# Altium PCB radxa_cm3i_io_board_v1.4.PcbDoc (part 6 of 9) (continued)
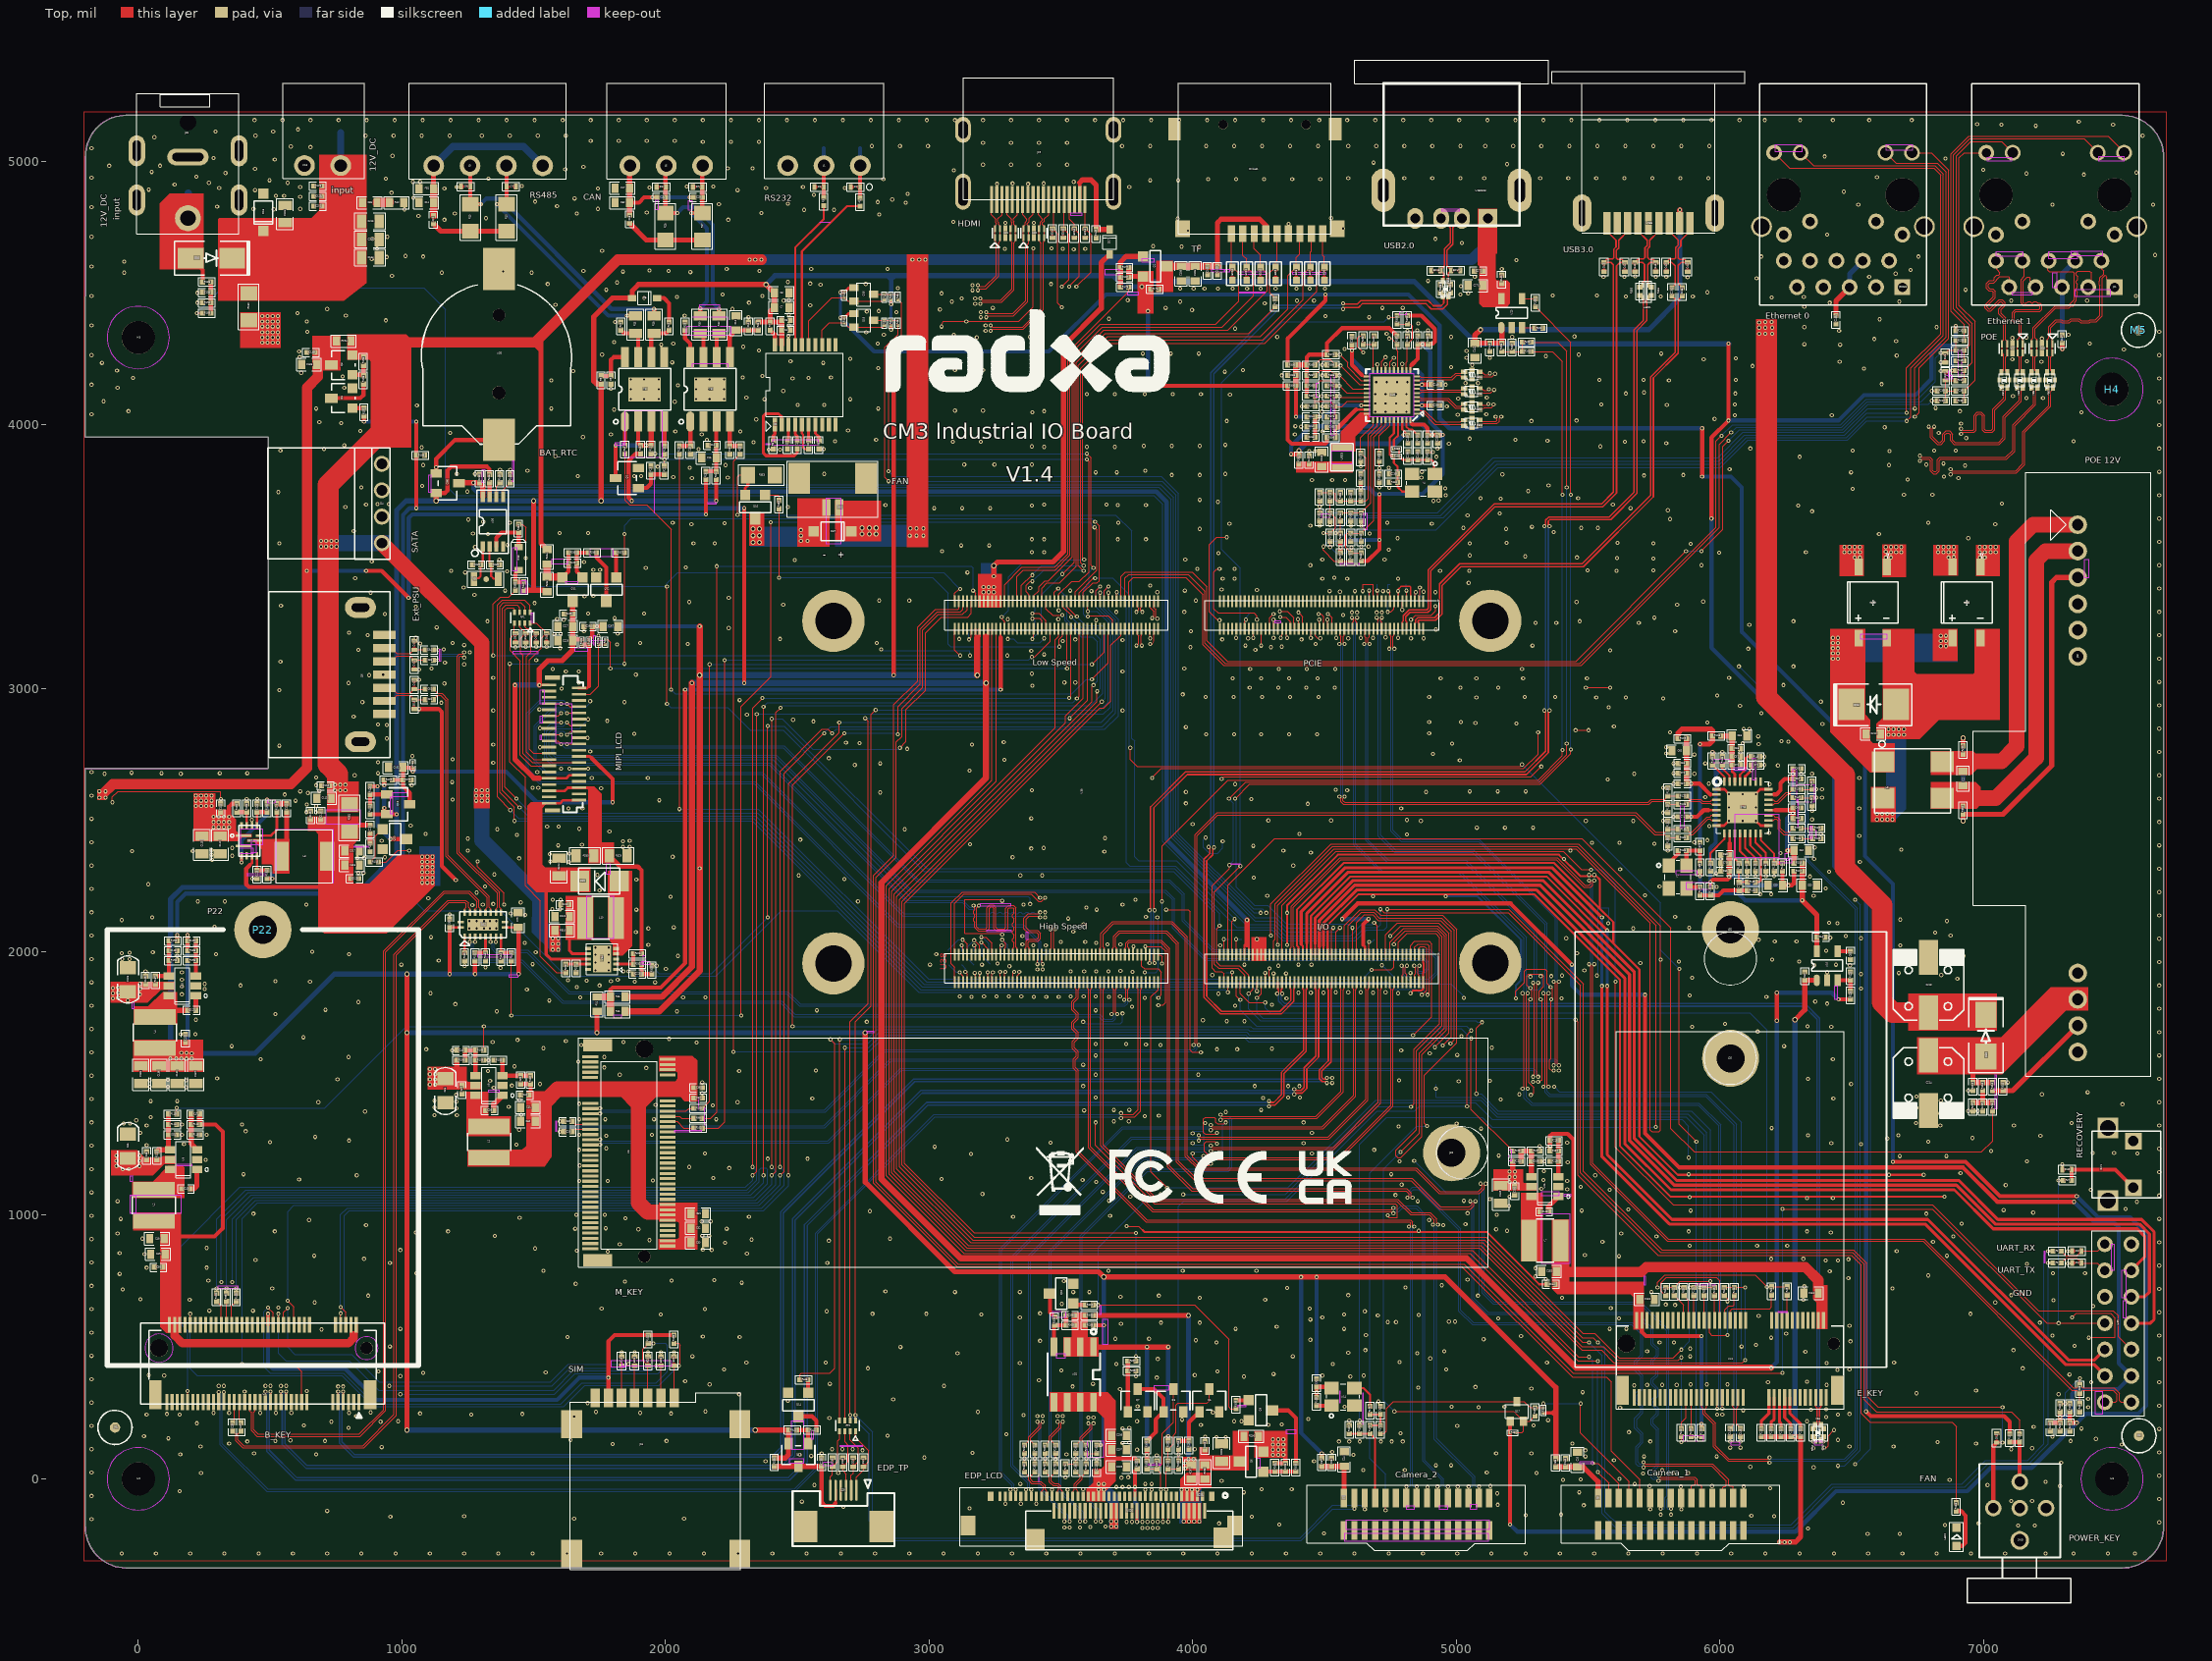
[diagram p0: Top view]
## Nets (pads, with @x,y where several pads share a name; then routed paths per layer and width w, separated by ;. In a path a pad name is that pad's centre, name@x,y a point inside that pad or via, vN(x,y) a via of type N, cw(c..) or ccw(c..) an arc to the next point about the centre after c; other vN are vias at no path point) (continued)
PCIE20-PERSTN: R103.1 U38.47 | length 5883.5
  Top w3.94: R103.1@372.05,704.72 v1(372.05,722.44) ; v1(2403.54,1151.57) 2419.29,1167.32 2419.29,2907.48 v1(2437.01,2925.2) ; U38.47@3506.89,3329.92 3506.89,3309.06 3539.37,3276.57 v1(3539.37,3269.69)
  Bottom w3.94: v1(372.05,722.44) 372.05,984.25 444.88,1057.09 2342.52,1057.09 2403.54,1118.11 v1(2403.54,1151.57) ; v1(2437.01,2925.2) 2444.88,2933.07 3612.2,2933.07 3659.45,2980.31 3659.45,3214.57 3645.67,3228.35 3580.71,3228.35 v1(3539.37,3269.69)
PCIE20-WAKEN: R101.1 U38.44 | length 5671.5
  Top w3.94: R101.1@297.24,704.72 v1(297.24,722.44) ; v1(2330.71,1183.07) 2330.71,2925.2 v1(2368.11,2962.6) ; v1(3531.5,2962.6) 3538.39,2969.49 U38.44@3538.39,3225.2
  Bottom w3.94: v1(297.24,722.44) 297.24,986.22 407.48,1096.46 2309.06,1096.46 2346.46,1133.86 2346.46,1167.32 v1(2330.71,1183.07) ; v1(2368.11,2962.6) v1(3531.5,2962.6)
PCIE20_CLKREQN_M2: R55.1 R219.1 U38.102 | length 3686.8
  Top w3.94: U38.102@3869.09,1884.65 3869.09,1856.3 3842.52,1829.72 3842.52,1165.35 v1(3903.54,1104.33) ; v1(5925.2,726.38) R55.1@5940.94,726.38 R219.1@5980.32,726.38
  Bottom w3.94: v1(3903.54,1104.33) 4362.2,1104.33 4694.88,1437.01 5092.52,1437.01 5155.51,1374.02 5872.05,1374.02 5940.94,1305.12 5940.94,742.13 v1(5925.2,726.38)
PCIE20_REFCLKN: U7.53 U38.112 | length 5391.7
  Top w3.94: U7.53@324.8,291.34 v1(324.8,328.74) ; v1(3728.35,1387.8) 3734.25,1381.89 3775.59,1381.89 3794.29,1400.59 3794.29,1856.3 3790.35,1860.24 U38.112@3790.35,1884.65
  Bottom w3.94: v1(324.8,328.74) 318.9,322.83 318.9,133.18 491.45,-39.37 2488.86,-39.37 2568.9,40.66 2568.9,932.4 3018.39,1381.89 3140.1,1381.89 3722.44,1381.89 v1(3728.35,1387.8)
PCIE20_REFCLKP: U7.55 U38.110 | length 5418.7
  Top w3.94: U7.55@305.12,291.34 v1(305.12,328.74) ; v1(3728.35,1368.11) 3734.25,1374.02 3780.51,1374.02 3802.17,1395.67 3802.17,1856.3 3806.1,1860.24 U38.110@3806.1,1884.65
  Bottom w3.94: v1(305.12,328.74) 311.02,322.83 311.02,129.92 488.19,-47.24 2492.13,-47.24 2576.77,37.4 2576.77,929.13 3021.65,1374.02 3722.44,1374.02 v1(3728.35,1368.11)
PCIE20_RXN: U12.7 U38.118 | length 2617.4
  Top w3.94: v1(1356.3,2037.4) 1356.3,2057.09 U12.7@1356.69,2057.48 ; v1(3740.16,1816.93) 3740.16,1817.91 3747.05,1824.8 3747.05,1856.3 3743.11,1860.24 U38.118@3743.11,1884.65
  Bottom w3.94: v1(1356.3,2037.4) 1350.39,2031.5 1350.39,2013.78 1358.27,2005.91 1478.35,2005.91 1635.83,1848.43 2464.57,1848.43 2511.81,1801.18 3740.83,1801.18 3746.06,1806.41 3746.06,1811.02 v1(3740.16,1816.93)
PCIE20_RXN_1: U7.41 U12.15 | length 2906.1
  Top w3.94: U7.41@442.91,291.34 442.91,257.87 437.01,251.97 437.01,186.67 454.39,169.29 838.58,169.29 931.1,261.81 931.1,2001.97 1159.45,2230.31 1256.3,2230.31 1291.73,2194.88 1291.73,2169.29 1297.64,2163.39 U12.15@1297.64,2148.03
PCIE20_RXP: U12.6 U38.116 | length 2643
  Top w3.94: v1(1336.61,2037.4) 1336.61,2057.09 U12.6@1337.01,2057.48 ; U38.116@3758.86,1884.65 3758.86,1860.24 3754.92,1856.3 3754.92,1821.85 v1(3759.84,1816.93)
  Bottom w3.94: v1(1336.61,2037.4) 1342.52,2031.5 1342.52,2009.84 1354.33,1998.03 1475.09,1998.03 1632.57,1840.55 1639.76,1840.55 2460.63,1840.55 2507.87,1793.31 3744.09,1793.31 3753.94,1803.15 3753.94,1811.02 v1(3759.84,1816.93)
PCIE20_RXP_1: U7.43 U12.16 | length 2906.1
  Top w3.94: U7.43@423.23,291.34 423.23,257.87 429.13,251.97 429.13,183.41 451.13,161.42 841.84,161.42 938.98,258.55 938.98,1998.71 1162.71,2222.44 1253.04,2222.44 1283.86,2191.62 1283.86,2169.29 1277.95,2163.39 U12.16@1277.95,2148.03
PCIE20_TXN: U12.3 U38.124 | length 2752
  Top w3.94: v1(1277.56,2037.4) 1277.56,2057.09 U12.3@1277.95,2057.48 ; v1(3692.91,1763.78) 3699.8,1770.67 3699.8,1856.3 3695.87,1860.24 U38.124@3695.87,1884.65
  Bottom w3.94: v1(1277.56,2037.4) 1271.65,2031.5 1271.65,1980.31 1283.46,1968.5 1456.69,1968.5 1612.2,1812.99 2440.94,1812.99 2492.13,1761.81 3647.64,1761.81 3665.35,1744.09 3695.56,1744.09 3700.79,1749.32 3700.79,1755.91 v1(3692.91,1763.78)
PCIE20_TXN_1: C27.1 U12.17 | length 2845.1
  Top w3.94: C27.1@389.76,181.1 377.95,169.29 377.95,147.64 399.61,125.98 852.7,125.98 970.47,243.76 970.47,1990.16 1175.2,2194.88 1242.18,2194.88 1252.36,2184.7 1252.36,2169.29 1258.27,2163.39 U12.17@1258.27,2148.03
PCIE20_TXP: U12.2 U38.122 | length 2777.7
  Top w3.94: v1(1257.87,2037.4) 1257.87,2057.09 U12.2@1258.27,2057.48 ; U38.122@3711.61,1884.65 3711.61,1860.24 3707.68,1856.3 3707.68,1770.67 v1(3714.57,1763.78)
  Bottom w3.94: v1(1257.87,2037.4) 1263.78,2031.5 1263.78,1976.38 1279.53,1960.63 1453.43,1960.63 1608.94,1805.12 1610.24,1805.12 2437.01,1805.12 2488.19,1753.94 3643.7,1753.94 3661.42,1736.22 3698.82,1736.22 3708.66,1746.06 3708.66,1757.87 v1(3714.57,1763.78)
PCIE20_TXP_1: C29.1 U12.18 | length 2845.4
  Top w3.94: C29.1@358.27,181.1 370.08,169.29 370.08,143.7 395.67,118.11 855.96,118.11 978.35,240.5 978.35,1986.9 1178.46,2187.01 1238.92,2187.01 1244.49,2181.44 1244.49,2169.29 1238.58,2163.39 U12.18@1238.58,2148.03
PCIE30_CLKN_EKEY: R137.2 R143.1 U24.49 | length 3443.6
  Top w3.94: U24.49@5931.1,308.07 5931.1,271.65 5937.01,265.75 5937.01,246.06 5976.38,206.69 5976.38,122.05 6031.5,66.93 6183.07,66.93 v1(6188.98,61.02) ; R137.2@6309.06,2584.65 R143.1@6350.39,2584.65 v1(6366.14,2584.65)
  Bottom w3.94: v1(6188.98,61.02) 6194.88,66.93 6476.38,66.93 6521.65,112.2 6521.65,2164.68 6336.61,2349.72 6336.61,2587.29 6345.78,2596.46 6354.33,2596.46 v1(6366.14,2584.65)
PCIE30_CLKP_EKEY: R136.2 R141.1 U24.47 | length 3430.5
  Top w3.94: U24.47@5950.79,308.07 5950.79,271.65 5944.88,265.75 5944.88,250 5984.25,210.63 5984.25,125.31 6034.76,74.8 6183.07,74.8 v1(6188.98,80.71) ; R136.2@6309.06,2616.14 R141.1@6350.39,2616.14 v1(6366.14,2616.14)
  Bottom w3.94: v1(6188.98,80.71) 6194.88,74.8 6473.12,74.8 6513.78,115.47 6513.78,2161.42 6328.74,2346.46 6328.74,2590.55 6342.52,2604.33 6354.33,2604.33 v1(6366.14,2616.14)
PCIE30_CLKREQN_M1: R220.1 R223.1 U38.39 | length 5263.9
  Top w3.94: U38.39@3569.88,3329.92 3569.88,3363.19 3624.02,3417.32 v1(3629.92,3417.32) ; v1(3763.78,2773.62) 3763.78,2728.35 3789.37,2702.76 5242.13,2702.76 v1(5250,2710.63) ; v1(5846.46,1935.04) 5846.46,1344.49 v1(5911.42,1279.53) ; R220.1@5891.73,159.45 v1(5911.42,159.45) R223.1@5931.1,159.45
  Bottom w3.94: v1(3629.92,3417.32) 3696.78,3417.32 3759.84,3354.26 3759.84,2777.56 v1(3763.78,2773.62) ; v1(5250,2710.63) 5775.59,2185.04 5775.59,2005.91 v1(5846.46,1935.04) ; v1(5911.42,159.45) v1(5911.42,1279.53)
PCIE30_PERSTN_M1: R221.1 U38.45 | length 6094.9
  Top w3.94: U38.45@3522.64,3329.92 3522.64,3309.06 3523.62,3309.06 v1(3561.02,3271.65) ; v1(3655.51,2948.82) 2897.64,2190.94 2897.64,1190.94 3171.26,917.32 5114.17,917.32 5480.32,551.18 5525.59,551.18 5618.11,458.66 5822.83,458.66 v1(5854.33,490.16) ; v1(5885.83,726.38) R221.1@5901.57,726.38
  Bottom w3.94: v1(3561.02,3271.65) 3594.49,3238.19 3657.48,3238.19 3669.29,3226.38 3669.29,2962.6 v1(3655.51,2948.82) ; v1(5854.33,490.16) 5885.83,521.65 v1(5885.83,726.38)
PCIE30_REFCLKN_IN: J7.41 R128.2 R129.1 | length 1961.5
  Top w3.94: v1(4557.09,2588.58) 4562.99,2582.68 4562.99,2568.9 4572.83,2559.06 5732.28,2559.06 5744.09,2570.87 5791.34,2570.87 R129.1@5803.15,2559.06 R128.2@5842.52,2559.06 ; v1(4557.09,3167.32) 4563.39,3173.62 4563.39,3196.46 4559.84,3200 J7.41@4559.84,3225.59
  Bottom w3.94: v1(4557.09,2588.58) 4562.99,2594.49 4562.99,3161.42 v1(4557.09,3167.32)
PCIE30_REFCLKN_MKEY: R132.2 R133.1 U6.53 | length 5111.6
  Top w3.94: U6.53@1715.16,1385.04 1715.95,1385.83 v1(1751.97,1385.83) ; v1(4023.62,1645.67) 4017.72,1651.57 4017.72,2440.94 4094.49,2517.72 5679.13,2517.72 5751.97,2444.88 5791.34,2444.88 R133.1@5803.15,2433.07 R132.2@5842.52,2433.07
  Bottom w3.94: v1(1751.97,1385.83) 1757.87,1391.73 2606.3,1391.73 2834.65,1620.08 4007.87,1620.08 4017.72,1629.92 4017.72,1639.76 v1(4023.62,1645.67)
PCIE30_REFCLKP_IN: J7.39 R127.2 R130.1 | length 1955.9
  Top w3.94: J7.39@4575.59,3225.59 4575.59,3200.79 4571.26,3196.46 4571.26,3172.83 v1(4576.77,3167.32) ; v1(4576.77,2588.58) 4570.87,2582.68 4570.87,2572.83 4576.77,2566.93 5728.35,2566.93 5740.16,2578.74 5791.34,2578.74 R130.1@5803.15,2590.55 5799.21,2590.55 R127.2@5842.52,2590.55
  Bottom w3.94: v1(4576.77,2588.58) 4570.87,2594.49 4570.87,3161.42 v1(4576.77,3167.32)
PCIE30_REFCLKP_MKEY: R131.2 R134.1 U6.55 | length 5113.6
  Top w3.94: U6.55@1715.16,1404.72 1715.95,1405.51 v1(1751.97,1405.51) ; v1(4003.94,1645.67) 4009.84,1651.57 4009.84,2444.88 4092.52,2527.56 5681.1,2527.56 5755.91,2452.76 5791.34,2452.76 R134.1@5803.15,2464.57 R131.2@5842.52,2464.57
  Bottom w3.94: v1(1751.97,1405.51) 1757.87,1399.61 2603.04,1399.61 2831.38,1627.95 4004.61,1627.95 4009.84,1633.18 4009.84,1639.76 v1(4003.94,1645.67)
PCIE30_RX0N: J7.29 U6.41 | length 5871.6
  Top w3.94: U6.41@1715.16,1266.93 1715.95,1267.72 v1(1751.97,1267.72) ; v1(4651.57,3167.32) 4657.48,3173.23 4657.48,3190.94 4654.33,3194.09 J7.29@4654.33,3225.59 ; v1(5291.34,1525.59) 5297.24,1531.5 5297.24,1875.98 v1(5291.34,1881.89)
  Bottom w3.94: v1(1751.97,1267.72) 1757.87,1273.62 2620.08,1273.62 2895.67,1549.21 5290.05,1549.21 5297.24,1542.01 5297.24,1531.5 v1(5291.34,1525.59) ; v1(4651.57,3167.32) 4657.48,3161.42 4657.48,2421.26 4740.16,2338.58 5034.14,2338.58 5297.24,2075.48 5297.24,1887.8 v1(5291.34,1881.89)
PCIE30_RX0P: J7.27 U6.43 | length 5885.3
  Top w3.94: U6.43@1715.16,1286.61 1715.95,1287.4 v1(1751.97,1287.4) ; J7.27@4670.08,3225.59 4670.08,3194.88 4665.35,3190.16 4665.35,3173.23 v1(4671.26,3167.32) ; v1(5311.02,1525.59) 5305.12,1531.5 5305.12,1875.98 v1(5311.02,1881.89)
  Bottom w3.94: v1(1751.97,1287.4) 1757.87,1281.5 2616.82,1281.5 2892.41,1557.09 3775.59,1557.09 5293.31,1557.09 5305.12,1545.28 5305.12,1531.5 v1(5311.02,1525.59) ; v1(4671.26,3167.32) 4665.35,3161.42 4665.35,2424.52 4743.42,2346.46 5037.4,2346.46 5305.12,2078.74 5305.12,1887.8 v1(5311.02,1881.89)
PCIE30_RX1N: J7.35 U24.43 | length 4222
  Top w3.94: v1(4604.33,3267.72) 4610.63,3261.42 4610.63,3254.33 4607.09,3250.79 J7.35@4607.09,3225.59 ; v1(5251.97,1480.31) 5257.87,1486.22 5257.87,1836.61 v1(5251.97,1842.52) ; v1(5990.16,265.75) U24.43@5990.16,308.07
  Bottom w3.94: v1(4604.33,3267.72) 4610.24,3261.81 4610.24,2405.51 4716.54,2299.21 5010.52,2299.21 5257.87,2051.86 5257.87,1848.43 v1(5251.97,1842.52) ; v1(5251.97,1480.31) 5257.87,1474.41 5257.87,1444.88 5285.43,1417.32 5918,1417.32 5996.06,1339.26 5996.06,271.65 v1(5990.16,265.75)
PCIE30_RX1P: J7.33 U24.41 | length 4222
  Top w3.94: J7.33@4622.83,3225.59 4622.83,3250 4618.5,3254.33 4618.5,3262.2 v1(4624.02,3267.72) ; v1(5271.65,1480.31) 5265.75,1486.22 5265.75,1836.61 v1(5271.65,1842.52) ; v1(6009.84,265.75) U24.41@6009.84,308.07
  Bottom w3.94: v1(4624.02,3267.72) 4618.11,3261.81 4618.11,2408.77 4719.8,2307.09 5013.78,2307.09 5265.75,2055.12 5265.75,1848.43 v1(5271.65,1842.52) ; v1(5271.65,1480.31) 5265.75,1474.41 5265.75,1448.14 5288.69,1425.2 5921.26,1425.2 6003.94,1342.52 6003.94,271.65 v1(6009.84,265.75)
PCIE30_TX0N: C28.1 J7.17 | length 6021.7
  Top w3.94: v1(1598.43,1316.93) C28.1@1614.17,1316.93 ; v1(4746.06,3149.61) 4752.36,3155.91 4752.36,3196.46 4748.82,3200 J7.17@4748.82,3225.59 ; v1(5370.08,1568.9) 5375.98,1574.8 5375.98,1879.92 v1(5370.08,1885.83)
  Bottom w3.94: v1(1598.43,1316.93) 1614.17,1332.68 2604.33,1332.68 2856.3,1584.65 5372.72,1584.65 5375.98,1581.38 5375.98,1574.8 v1(5370.08,1568.9) ; v1(4746.06,3149.61) 4751.97,3143.7 4751.97,2456.69 4791.34,2417.32 5085.32,2417.32 5375.98,2126.66 5375.98,1891.73 v1(5370.08,1885.83)
PCIE30_TX0P: C30.1 J7.15 | length 6034.8
  Top w3.94: v1(1598.43,1356.3) C30.1@1614.17,1356.3 ; J7.15@4764.57,3225.59 4764.57,3200.79 4760.24,3196.46 4760.24,3155.12 v1(4765.75,3149.61) ; v1(5389.76,1568.9) 5383.86,1574.8 5383.86,1879.92 v1(5389.76,1885.83)
  Bottom w3.94: v1(1598.43,1356.3) 1614.17,1340.55 2601.07,1340.55 2853.04,1592.52 2874.02,1592.52 5375.98,1592.52 5383.86,1584.65 5383.86,1574.8 v1(5389.76,1568.9) ; v1(4765.75,3149.61) 4759.84,3143.7 4759.84,2459.95 4794.6,2425.2 5088.58,2425.2 5383.86,2129.92 5383.86,1891.73 v1(5389.76,1885.83)
PCIE30_TX1N: C147.1 J7.23 | length 4288.9
  Top w3.94: v1(4698.82,3267.72) 4705.12,3261.42 4705.12,3254.33 4701.57,3250.79 J7.23@4701.57,3225.59 ; v1(5330.71,1488.19) 5336.61,1494.09 5336.61,1836.61 v1(5330.71,1842.52) ; v1(6039.37,141.73) C147.1@6039.37,159.45
  Bottom w3.94: v1(4698.82,3267.72) 4704.72,3261.81 4704.72,2438.98 4765.75,2377.95 5061.7,2377.95 5336.61,2103.04 5336.61,1848.43 v1(5330.71,1842.52) ; v1(5330.71,1488.19) 5336.61,1482.28 5336.61,1466.54 5352.36,1450.79 5945.56,1450.79 6055.12,1341.23 6055.12,157.48 v1(6039.37,141.73)
PCIE30_TX1P: C146.1 J7.21 | length 4288.9
  Top w3.94: J7.21@4717.32,3225.59 4717.32,3250 4712.99,3254.33 4712.99,3262.2 v1(4718.5,3267.72) ; v1(5350.39,1488.19) 5344.49,1494.09 5344.49,1836.61 v1(5350.39,1842.52) ; v1(6078.74,141.73) C146.1@6078.74,159.45
  Bottom w3.94: v1(4718.5,3267.72) 4712.6,3261.81 4712.6,2442.24 4769.01,2385.83 5064.96,2385.83 5344.49,2106.3 5344.49,1848.43 v1(5350.39,1842.52) ; v1(5350.39,1488.19) 5344.49,1482.28 5344.49,1469.8 5355.62,1458.66 5948.82,1458.66 6062.99,1344.49 6062.99,157.48 v1(6078.74,141.73)
PCIE30_WAKEN_M1: R222.1 U38.38 | length 5984.4
  Top w3.94: U38.38@3585.63,3225.2 3585.63,2962.6 3517.72,2894.69 3517.72,2869.09 2868.11,2219.49 2868.11,1167.32 3149.61,885.83 5092.52,885.83 5476.38,501.97 5559.06,501.97 5612.2,448.82 5842.52,448.82 v1(5854.33,460.63) ; v1(5854.33,139.76) R222.1@5854.33,159.45
  Bottom w3.94: v1(5854.33,139.76) v1(5854.33,460.63)
PCIE30X1_CLKREQN_3V3_L: R99.2 U7.52 | length 88.6
  Top w3.94: U7.52@334.64,584.65 R99.2@334.65,673.23
PCIE30X1_PERSTN_3V3_L: R103.2 U7.50 | length 95.9
  Top w3.94: U7.50@354.33,584.65 354.33,655.51 R103.2@372.05,673.23
PCIE30X1_WAKEN_3V3_L: R101.2 U7.54 | length 95.9
  Top w3.94: R101.2@297.24,673.23 314.96,655.51 U7.54@314.96,584.65
PCIE30X2_CLKREQN_M1: R98.1 U38.89 | length 3239.9
  Top w3.94: R98.1@2139.76,1368.11 2171.26,1368.11 2194.88,1391.73 v1(2194.88,3462.6) ; v1(3167.32,3370.08) 3176.18,3361.22 U38.89@3176.18,3329.92
  Bottom w3.94: v1(2194.88,3462.6) 3159.45,3462.6 3167.32,3454.72 v1(3167.32,3370.08)
PCIE30X2_LANE0_CLKREQN_3V3_L: R98.2 U6.52 | length 103.4
  Top w3.94: U6.52@2008.46,1375.2 2009.25,1375.98 2053.15,1375.98 2061.02,1368.11 R98.2@2108.27,1368.11
PCIE30X2_LANE0_PERSTN_3V3_L: R102.2 U6.50 | length 110.1
  Top w3.94: U6.50@2008.46,1355.51 2044.09,1355.51 2068.9,1330.71 R102.2@2108.27,1330.71
PCIE30X2_LANE0_WAKEN_3V3_L: R100.2 U6.54 | length 104.2
  Top w3.94: U6.54@2008.46,1394.88 2078.74,1394.88 2089.37,1405.51 R100.2@2108.27,1405.51
PCIE30X2_PERSTN_M1: R102.1 U38.54 | length 3159
  Top w3.94: R102.1@2139.76,1330.71 2200.79,1330.71 2224.41,1354.33 v1(2224.41,3106.3) ; v1(3389.76,3118.11) 3400.59,3118.11 3459.65,3177.17 U38.54@3459.65,3225.2
  Bottom w3.94: v1(2224.41,3106.3) 3377.95,3106.3 v1(3389.76,3118.11)
PCIE30X2_WAKEN_M1: R100.1 U38.28 | length 3301
  Top w3.94: R100.1@2139.76,1405.51 2167.32,1433.07 v1(2167.32,3090.55) ; v1(3618.11,3090.55) 3664.37,3136.81 U38.28@3664.37,3225.2
  Bottom w3.94: v1(2167.32,3090.55) v1(3618.11,3090.55)
PCIE_EN_L: R154.1 R155.1 U12.8 | length 101
  Top w9.84: R154.1@1375.98,1996.06 1376.38,1996.46 U12.8@1376.38,2057.48
  Top w15.75: R154.1@1375.98,1996.06 R155.1@1415.35,1996.06
PCIE_PWREN_H: R108.1 R113.1 R226.1 U38.95 | length 7721.6
  Top w3.94: R113.1@145.67,1383.86 v1(145.67,1407.48) ; R108.1@1311.02,1625.98 v1(1311.02,1716.54) ; v1(2482.28,1716.54) 2482.28,2631.89 v1(2679.13,2828.74) ; v1(2881.89,2824.8) 2881.89,2931.1 2966.54,3015.75 2966.54,3224.41 3031.5,3289.37 3119.09,3289.37 3128.94,3299.21 U38.95@3128.94,3329.92 ; v1(5057.09,1671.26) 5057.09,1401.57 R226.1@5214.57,1244.09
  Bottom w3.94: v1(145.67,1407.48) 706.69,1407.48 1015.75,1716.54 v1(1311.02,1716.54) v1(2482.28,1716.54) 4220.47,1716.54 4228.35,1708.66 5019.69,1708.66 v1(5057.09,1671.26) ; v1(2679.13,2828.74) 2877.95,2828.74 v1(2881.89,2824.8)
PHY0_MDI0+: FB11.2 J90036.1 | length 2143.3
  Top w3.94: FB11.2@5088.58,3996.06 5094.72,3996.06 5102.59,4003.94 5155.51,4003.94 5163.39,4011.81 5163.39,4023.62 5169.29,4029.53 v1(5171.26,4029.53)
  Power w3.94: v1(5171.26,4029.53) 5167.32,4029.53 5163.39,4033.46 5163.39,4043.31 5169.29,4049.21 6442.91,4049.21 6643.7,4250 6643.7,4586.61 6649.61,4592.52 6685.04,4592.52 6692.91,4584.65 J90036.1@6692.91,4521.65
PHY0_MDI0-: FB11.3 J90036.2 | length 2144.4
  Top w3.94: FB11.3@5088.58,4017.72 5094.49,4011.81 5151.57,4011.81 5155.51,4015.75 5155.51,4025.59 5151.64,4029.46 5149.54,4029.46 v1(5149.61,4029.53)
  Power w3.94: v1(5149.61,4029.53) 5153.54,4033.46 5155.51,4033.46 5155.51,4047.24 5167.32,4059.06 6438.98,4059.06 6612.2,4232.28 6612.2,4305.12 6616.14,4309.06 6620.08,4309.06 6624.02,4305.12 6624.02,4265.75 6627.95,4261.81 6631.89,4261.81 6635.83,4265.75 6635.83,4614.57 J90036.2@6642.91,4621.65
PHY0_MDI1+: FB12.2 J90036.3 | length 2144.6
  Top w3.94: FB12.2@5088.58,4057.09 5098.43,4057.09 5106.3,4064.96 5133.86,4064.96 5141.73,4072.83 v1(5141.73,4076.77)
  Power w3.94: v1(5141.73,4076.77) 5141.73,4086.61 5149.61,4094.49 6385.83,4094.49 6501.97,4210.63 6501.97,4346.46 6505.91,4350.39 6513.78,4350.39 6517.72,4346.46 6517.72,4277.56 6525.59,4269.69 6539.37,4269.69 6547.24,4277.56 6547.24,4572.83 6555.12,4580.71 6587.01,4580.71 6592.91,4574.8 J90036.3@6592.91,4521.65
PHY0_MDI1-: FB12.3 J90036.6 | length 2142.8
  Top w3.94: FB12.3@5088.58,4078.74 5094.49,4078.74 5100.39,4072.83 5116.14,4072.83 v1(5122.05,4078.74)
  Power w3.94: v1(5122.05,4078.74) 5122.05,4076.77 5127.95,4082.68 5127.95,4084.65 5145.67,4102.36 6381.89,4102.36 6494.09,4214.57 6494.09,4350.39 6501.97,4358.27 6517.72,4358.27 6525.59,4350.39 6525.59,4281.5 6529.53,4277.56 6535.43,4277.56 6539.37,4281.5 6539.37,4570.87 6517.72,4592.52 6462.6,4592.52 6442.91,4612.2 J90036.6@6442.91,4621.65
PHY0_MDI2+: FB13.2 J90036.7 | length 2145.5
  Top w3.94: FB13.2@5088.58,4116.14 5088.58,4119.61 5131.42,4119.61 v1(5143.7,4131.89)
  Power w3.94: v1(5143.7,4131.89) 5143.7,4135.83 5145.67,4137.8 6336.61,4137.8 6397.64,4198.82 6397.64,4476.38 6389.76,4484.25 6374.02,4484.25 6366.14,4476.38 6366.14,4354.33 6360.24,4348.43 6354.33,4348.43 6348.43,4354.33 6348.43,4584.65 6352.36,4588.58 6383.07,4588.58 6392.91,4578.74 J90036.7@6392.91,4521.65
PHY0_MDI2-: FB13.3 J90036.8 | length 2143.1
  Top w3.94: FB13.3@5088.58,4137.8 5096.46,4137.8 5104.33,4129.92 5118.11,4129.92 5122.05,4133.86 v1(5124.02,4133.86)
  Power w3.94: v1(5124.02,4133.86) 5127.95,4133.86 5129.92,4135.83 5129.92,4139.76 5135.83,4145.67 6332.68,4145.67 6389.76,4202.76 6389.76,4472.44 6385.83,4476.38 6377.95,4476.38 6374.02,4472.44 6374.02,4350.39 6364.17,4340.55 6350.39,4340.55 6340.55,4350.39 6340.55,4529.53 6336.61,4533.46 6328.74,4533.46 6324.8,4537.4 6324.8,4543.31 6328.74,4547.24 6336.61,4547.24 6340.55,4551.18 6340.55,4555.12 6336.61,4559.06 6324.8,4559.06 6322.83,4561.02 6322.83,4568.9 6324.8,4570.87 6336.61,4570.87 6340.54,4574.79 ; 6340.52,4574.83 6340.52,4580.71 6336.64,4584.59 6324.8,4584.59 6322.83,4586.56 6322.83,4594.49 6324.8,4596.46 6340.55,4596.46 6342.91,4598.82 J90036.8@6342.91,4621.65
PHY0_MDI3+: FB14.2 J90036.9 | length 2142.6
  Top w3.94: FB14.2@5088.58,4179.13 5088.58,4181.1 5135.93,4181.1 v1(5147.64,4192.91)
  Power w3.94: v1(5147.64,4192.91) 5141.73,4198.82 5141.73,4226.38 5145.67,4230.31 5159.45,4230.31 5163.39,4226.38 5163.39,4183.07 5171.26,4175.2 5185.04,4175.2 5192.91,4183.07 5192.91,4226.38 5196.85,4230.31 5202.76,4230.31 5206.69,4226.38 5206.69,4183.07 5214.57,4175.2 5228.35,4175.2 5236.22,4183.07 5236.22,4224.41 5240.16,4228.35 5246.06,4228.35 5250,4224.41 5250,4185.04 5257.87,4177.17 5273.62,4177.17 5281.5,4185.04 5281.5,4224.41 5285.43,4228.35 5291.34,4228.35 5295.28,4224.41 5295.28,4185.04 5303.15,4177.17 5316.93,4177.17 5324.8,4185.04 5324.8,4222.44 5328.74,4226.38 5338.58,4226.38 5342.52,4222.44 5342.52,4185.04 5350.39,4177.17 5366.14,4177.17 5374.02,4185.04 5374.02,4194.88 5377.95,4198.82 6248.03,4198.82 6271.65,4222.44 6271.65,4423.23 6244.09,4450.79 6244.09,4578.74 6250,4584.65 6283.46,4584.65 6292.91,4575.2 J90036.9@6292.91,4521.65
PHY0_MDI3-: FB14.3 J90036.10 | length 2144
  Top w3.94: FB14.3@5088.58,4200.79 5096.46,4200.79 5108.27,4188.98 5122.05,4188.98 v1(5127.95,4194.88)
  Power w3.94: v1(5127.95,4194.88) 5133.86,4200.79 5133.86,4230.31 5141.73,4238.19 5163.39,4238.19 5171.26,4230.31 5171.26,4187.01 5175.2,4183.07 5181.1,4183.07 5185.04,4187.01 5185.04,4230.31 5192.91,4238.19 5206.69,4238.19 5214.57,4230.31 5214.57,4187.01 5218.5,4183.07 5224.41,4183.07 5228.35,4187.01 5228.35,4228.35 5236.22,4236.22 5250,4236.22 5257.87,4228.35 5257.87,4188.98 5261.81,4185.04 5269.69,4185.04 5273.62,4188.98 5273.62,4228.35 5281.5,4236.22 5295.28,4236.22 5303.15,4228.35 5303.15,4188.98 5307.09,4185.04 5312.99,4185.04 5316.93,4188.98 5316.93,4226.38 5324.8,4234.25 5342.52,4234.25 5350.39,4226.38 5350.39,4188.98 5354.33,4185.04 5362.2,4185.04 5366.14,4188.98 5366.14,4200.79 5372.05,4206.69 6242.13,4206.69 6263.78,4228.35 6263.78,4419.29 6259.84,4423.23 6253.94,4423.23 6250,4419.29 6250,4387.8 6246.06,4383.86 6240.16,4383.86 6236.22,4387.8 6236.22,4614.96 J90036.10@6242.91,4621.65
PHY1_1MDI0+: FB5.1 U38.12 | length 4285.2
  Top w3.94: v1(3787.4,3161.42) 3795.28,3169.29 3795.28,3198.82 3790.35,3203.74 U38.12@3790.35,3225.2 ; v1(6875.98,3811.02) 6881.89,3816.93 7125.98,3816.93 7157.48,3848.43 7157.48,3970.47 7256.3,4069.29 7256.3,4126.38 7264.17,4134.25 FB5.1@7264.17,4140.55
  Power w3.94: v1(3787.4,3161.42) 3793.31,3155.51 3793.31,3088.58 3938.98,2942.91 5730.32,2942.91 6604.33,3816.93 6870.08,3816.93 v1(6875.98,3811.02)
PHY1_1MDI0-: FB5.4 U38.10 | length 4254.3
  Top w3.94: U38.10@3806.1,3225.2 3806.1,3200.79 3804.13,3198.82 3804.13,3164.37 v1(3807.09,3161.42) ; v1(6875.98,3830.71) 6881.89,3824.8 7122.72,3824.8 7149.61,3851.69 7149.61,3973.73 7248.03,4072.16 7248.03,4129.92 7242.52,4135.43 FB5.4@7242.52,4140.55
  Power w3.94: v1(3807.09,3161.42) 3801.18,3155.51 3801.18,3092.52 3942.91,2950.79 5727.05,2950.79 6601.07,3824.8 6870.08,3824.8 v1(6875.98,3830.71)
PHY1_1MDI1+: FB6.1 U38.4 | length 4215.8
  Top w3.94: v1(3838.58,3167.32) 3847.44,3167.32 3853.35,3177.17 U38.4@3853.35,3225.2 ; v1(6759.84,3862.2) 6765.75,3868.11 6793.98,3868.11 6799.21,3862.88 6799.21,3823.51 6809.73,3812.99 6822.16,3812.99 6832.68,3823.51 6832.68,3862.88 6837.91,3868.11 7088.58,3868.11 7120.08,3899.61 7120.08,3996.06 7198.82,4074.8 7198.82,4127.95 7205.12,4134.25 FB6.1@7205.12,4140.55
  Power w3.94: v1(3838.58,3167.32) 3844.49,3173.23 3852.36,3173.23 3856.3,3169.29 3856.3,3118.11 3994.09,2980.31 5696.85,2980.31 6584.65,3868.11 6753.94,3868.11 v1(6759.84,3862.2)
PHY1_1MDI1-: FB6.4 U38.6 | length 4175.2
  Top w3.94: U38.6@3837.6,3225.2 3838.58,3224.21 v1(3838.58,3188.98) ; v1(6759.84,3881.89) 6765.75,3875.98 6797.24,3875.98 6807.09,3866.14 6807.09,3826.77 6812.32,3821.54 6819.57,3821.54 6824.8,3826.77 6824.8,3866.14 6834.65,3875.98 7085.32,3875.98 7112.2,3902.87 7112.2,3999.32 7190.94,4078.06 7190.94,4125.98 7183.46,4133.46 FB6.4@7183.46,4140.55
  Power w3.94: v1(3838.58,3188.98) 3844.49,3183.07 3860.24,3183.07 3864.17,3179.13 3864.17,3122.05 3998.03,2988.19 5692.91,2988.19 6580.71,3875.98 6753.94,3875.98 v1(6759.84,3881.89)
PHY1_1MDI2+: FB9.1 U38.11 | length 4279.3
  Top w3.94: v1(3787.4,3289.37) 3795.28,3297.24 3795.28,3304.13 3790.35,3309.06 U38.11@3790.35,3329.92 ; v1(6793.31,3992.13) 6799.21,3986.22 6799.21,3951.46 6825.48,3925.2 6840.55,3925.2 6854.33,3938.98 6854.33,3961.31 6861.53,3968.5 6868.79,3968.5 6875.98,3961.31 6875.98,3938.98 6889.76,3925.2 7061.02,3925.2 7082.68,3946.85 7082.68,4027.56 7143.7,4088.58 7143.7,4127.56 7150,4133.86 FB9.1@7150,4140.55
  Power w3.94: v1(3787.4,3289.37) 3795.28,3297.24 3795.28,3312.99 3803.15,3320.87 3980.32,3320.87 4021.65,3279.53 4021.65,3169.29 4131.89,3059.06 5629.92,3059.06 6545.28,3974.41 6793.98,3974.41 6799.21,3979.64 6799.21,3986.22 v1(6793.31,3992.13)
PHY1_1MDI2-: FB9.4 U38.9 | length 4249.7
  Top w3.94: U38.9@3806.1,3329.92 3806.1,3308.07 3803.15,3305.12 3803.15,3295.28 v1(3809.06,3289.37) ; v1(6812.99,3992.13) 6807.09,3986.22 6807.09,3954.72 6828.74,3933.07 6837.29,3933.07 6846.46,3942.24 6846.46,3964.57 6858.27,3976.38 6872.05,3976.38 6883.86,3964.57 6883.86,3942.24 6893.03,3933.07 7057.76,3933.07 7074.8,3950.11 7074.8,4030.82 7135.83,4091.84 7135.83,4126.38 7128.35,4133.86 FB9.4@7128.35,4140.55
  Power w3.94: v1(3809.06,3289.37) 3803.15,3295.28 3803.15,3307.09 3809.06,3312.99 3976.38,3312.99 4013.78,3275.59 4013.78,3165.35 4127.95,3051.18 5633.18,3051.18 6548.54,3966.54 6797.24,3966.54 6807.09,3976.38 6807.09,3986.22 v1(6812.99,3992.13)
PHY1_1MDI3+: FB16.1 U38.3 | length 4239
  Top w3.94: U38.3@3853.35,3329.92 3853.35,3305.12 3860.24,3298.23 3860.24,3269.69 v1(3866.14,3263.78) ; v1(6915.35,3964.57) 6921.26,3970.47 6964.57,3970.47 6972.44,3978.35 6972.44,4032.17 6979.64,4039.37 6988.86,4039.37 6996.06,4032.17 6996.06,3978.35 7003.94,3970.47 7033.46,3970.47 7043.31,3980.32 7043.31,4055.12 7084.65,4096.46 7084.65,4127.56 7090.94,4133.86 FB16.1@7090.94,4140.55
  Power w3.94: v1(3866.14,3263.78) 3860.24,3269.69 3860.24,3273.62 3868.11,3281.5 3887.8,3281.5 3907.48,3261.81 3907.48,3163.39 4055.12,3015.75 5668.62,3015.75 6572.16,3919.29 6848.43,3919.29 6862.2,3933.07 6862.2,4008.55 6867.43,4013.78 6874.69,4013.78 6879.92,4008.55 6879.92,3980.31 6889.76,3970.47 6909.45,3970.47 v1(6915.35,3964.57)
PHY1_1MDI3-: FB16.4 U38.5 | length 4241.5
  Top w3.94: U38.5@3837.6,3329.92 3837.6,3307.09 3852.36,3292.32 3852.36,3271.65 v1(3846.46,3265.75) ; v1(6915.35,3984.25) 6921.26,3978.35 6961.31,3978.35 6964.57,3981.61 6964.57,4035.43 6976.38,4047.24 6992.13,4047.24 7003.94,4035.43 7003.94,3981.61 7007.2,3978.35 7030.2,3978.35 7035.43,3983.58 7035.43,4058.38 7076.77,4099.72 7076.77,4126.38 7069.29,4133.86 FB16.4@7069.29,4140.55
  Power w3.94: v1(3846.46,3265.75) 3852.36,3271.65 3852.36,3279.53 3862.2,3289.37 3893.7,3289.37 3915.35,3267.72 3915.35,3167.32 4059.06,3023.62 5665.35,3023.62 6568.9,3927.17 6845.16,3927.17 6854.33,3936.33 6854.33,4011.81 6864.17,4021.65 6877.95,4021.65 6887.8,4011.81 6887.8,3983.58 6893.03,3978.35 6909.45,3978.35 v1(6915.35,3984.25)
PHY1_CLKOUT125: R363.2 U41.35 | length 142.3
  Top w3.94: R363.2@4708.66,3891.73 4708.66,3958.66 4748.03,3998.03 U41.35@4748.03,4017.72
PHY1_LED0/CFG_EXT: C244.1 R365.1 R366.2 R374.2 R390.2 U41.32 | length 526
  Top w3.94: R390.2@4482.28,3742.13 R374.2@4521.65,3742.13 4535.43,3742.13 4541.34,3736.22 4541.34,3714.57 4545.28,3710.63 R365.1@4561.02,3710.63 C244.1@4600.39,3710.63 R366.2@4637.8,3710.63 4657.48,3710.63 4667.32,3720.47 4667.32,3962.6 4700.79,3996.06 U41.32@4700.79,4017.72